# Allegro board AM335x_ICE_3H0013_PCB_REV_2_1A.brd (continued)
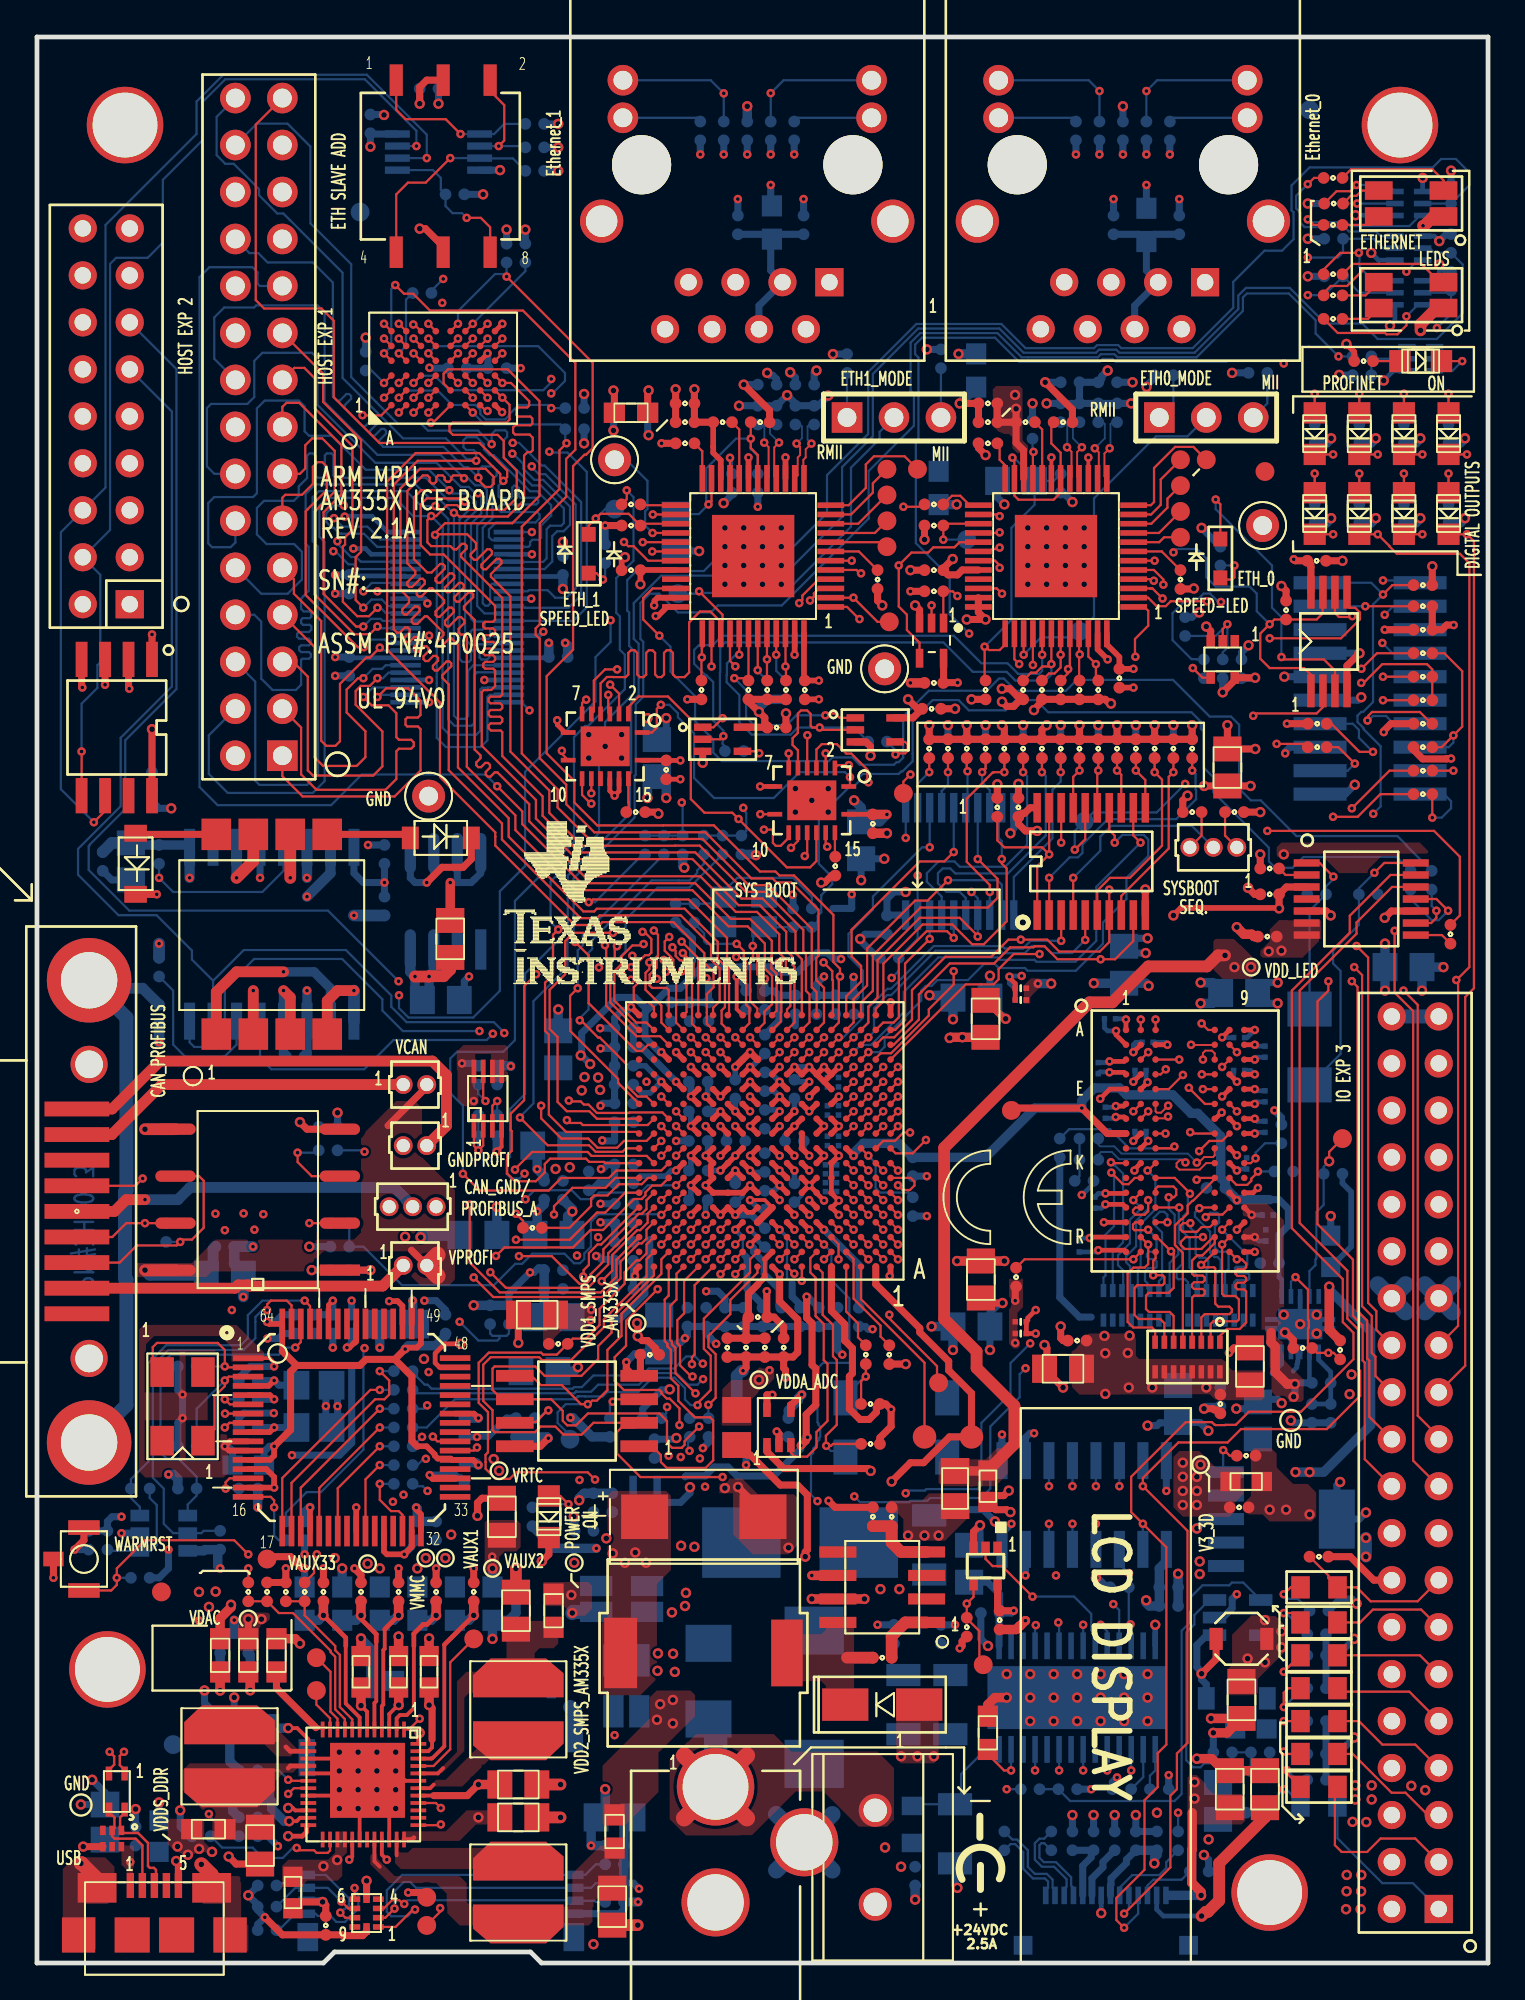
[diagram p0: board, top side]
## Nets (continued)
N21210919: R224.2(P2) R225.1(P1) U34.4(EN)
N21210937: D20.2(ANODE) L2.2 U34.1(SW)
N21211001: C255.2 R220.1(P1) R221.2(P2) U34.3(FB)
N21251713: J2.11(D3) R93.1(P1)
N21451174: R199.1(P1) U17.3(W\P\)
N21451189: R200.1(P1) U17.7(H\O\L\D\)
N21620210: C259.1 R226.2(P2) U35.3(IP0)
N21620213: C256.1 R84.2(P2) U35.5(IP1)
N21620216: C253.1 R83.2(P2) U35.7(IP2)
N21620219: C250.1 R81.2(P2) U35.9(IP3)
N21620222: C247.1 R80.2(P2) U35.11(IP4)
N21620225: C246.1 R79.2(P2) U35.18(IP5)
N21620228: C241.1 R74.2(P2) U35.20(IP6)
N21620231: C239.1 R68.2(P2) U35.22(IP7)
N21797281: R40.2(P2) U9.15(OE#)
N21797333: R41.2(P2) U11.15(OE#)
N21800158: C162.1 R179.2 R182.2
N21868977: C216.1 R191.1 R195.2 U29.1(REFIN)
N21870936: R183.2 U15.L8(ZQ)
N21881059: D5.2(ANODE) R131.1(P1)
N21881073: J1.11(D3) R98.1(P1)
N21881115: J1.9(D1) R94.1(P1)
N21881265: C4.1 C14.1 C83.1 C84.1 U2.18(PFBIN1) U2.23(PFBOUT) U2.37(PFBIN2)
N21881353: R7.2(P2) U2.20(RSV)
N21881950: R9.2(P2) U2.24(RBIAS)
N22333314: R88.2(P2) SW1.1(P0) U25.1(P0)
N22333318: R99.2(P2) SW1.2(P1) U25.2(P1)
N22371955: C43.1 U32.5(FB)
N23086594: R13.1 U3.25(CLKOUT)
N23086888: R12.1 U2.25(CLKOUT)
N27955689: R188.2 R189.1 U18.59(BCBUS7)
N27956453: R142.2(P2) U10.4(Y)
N28554546: D1.2(R) R1.2(P2)
N28554548: D1.4(Y) R2.2(P2)
N28554589: Q2.3 R1.1(P1)
N28554595: Q1.6(3) R3.1(P1)
N28554605: Q1.3 R2.1(P1)
N28554613: D1.3(G) R3.2(P2)
N28559145: D2.2(R) R4.2(P2)
N28559147: D2.4(Y) R5.2(P2)
N28559250: D2.3(G) R6.2(P2)
N28559254: Q3.6(3) R4.1(P1)
N28559256: Q2.6(3) R5.1(P1)
N28559275: Q3.3 R6.1(P1)
N28559577: D3.1(CATHODE) Q4.6(3)
N28559579: D3.2(ANODE) R128.1(P1)
N28559581: Q4.2(5) R126.1(P1) R127.2(P2)
N28614111: D18.1(CATHODE) F1.1
N28629254: D16.2(ANODE) R208.1(P1)
N28737675: R58.2(P2) U14.G17(MMC0_CLK)
N28753994: R100.2(P2) SW1.4(P2) U25.3(P2)
N28754074: R87.2(P2) SW1.8(P3) U25.5(P3)
N28785526: J19.1 R112.2(P2)
N28785533: J19.3 R110.2(P2)
N28944514: J18.1 R114.2(P2)
N28944521: J18.3 R113.2(P2)
N29141166: C89.2 U12.14(XOUT) Y1.1
N29141233: C90.2 U12.1(XIN/CLK) Y1.2
N29141536: R39.1(P1) U12.2(S0)
N29149555: R42.1 U12.8(Y3)
N29149585: R154.1 U12.9(Y2)
N29149616: R144.1 U12.11(Y1)
N29208060: J5.1 R37.1

Pads without a net: J1 7; J2 7; J9 1 4; J13 4; J15 6; J16 10; NOREF#3 1; NOREF#15 1; NOREF#17 1; NOREF#18 1; NOREF#19 1; Q4 3 4 5; R212 3 4; R219 3 4; RP2 7 8 9 10; U1 B3 C4 D3; U2 33; U3 33; U6 7; U9 12; U10 1; U12 4; U14 B18 D3 M15 N17 N18 P15 P16 P17 P18 R17 R18 T18; U15 J1 J9 L1 L9 M7; U18 22 24 27 29 33 34 36 40 41 43 44 45 46 48 52 53 54 55 57 58 60; U20 1; U21 2 3 5; U22 21 25 38 39; U23 3 5; U24 4 9; U27 1 2; U28 10; U30 4; U35 4 6 8 10 12 16 17 19 21 27; Y2 2 4; Y3 2 4; Y4 2 3

## Via types
v1: diameter 0.457, hole 0.203, TOP to BOTTOM, 1028 vias
v2: diameter 0.559, hole 0.305, TOP to BOTTOM, 506 vias

## Routing (per net, layer and track width the routed paths; a pad name or vN(x,y) marks a point on that pad's centre or on a via; arc(x,y) is an arc through that point)
AGND_CAN: length 31
  BOTTOM w0.584: J9.11 3.38,52.7 5.71,52.7 R175.1
  BOTTOM w0.762: J9.10 4.84,30.16 4.84,36.94 4.76,37.02 4.76,41.69 4.84,41.76 4.84,51.12 J9.11
AGND_PRUETH0: length 15.9
  TOP w0.203: U3.19 v1(54.87,81.41) ; U3.15 v1(56.87,81.4)
  TOP w0.381: v2(49.91,84.33) 49.91,84.33 C2.2 C5.2
  LYR4 w0.508: v1(56.87,81.4) 56.49,81.03 55.25,81.03 v1(54.87,81.41) 54.86,81.41 54.22,80.76 51.15,80.76 50.42,81.49 50.42,83.82 50.04,84.2 50.04,84.2 v2(49.91,84.33)
  BOTTOM w0.508: R242.1 50.79,85.21 v2(49.91,84.33)
AGND_PRUETH1: length 14.8
  TOP w0.305: v1(38.49,81.41) U2.19 ; U2.15 v1(40.49,81.41)
  TOP w0.381: C3.2 C1.2 v2(34.54,85.09) ; v2(33.08,85.03) 33.03,84.98 R239.1
  LYR4 w0.508: v1(40.49,81.41) 39,81.41 38.99,81.4 38.49,81.4 v1(38.49,81.41) 37.09,82.8 35.81,82.8 34.54,84.07 v2(34.54,85.09) 34.48,85.03 v2(33.08,85.03)
AGNDFRAME_PRUETH0: length 24.5
  LYR4 w0.635: J2.14 50.86,94.18 54.86,94.18 55.55,94.87 ; 55.55,94.87 56.24,94.18 66.61,94.18 J2.13 ; 55.55,94.87 55.55,97.54 55.52,97.67 55.52,98.07 57.85,100.39 v2(58.74,100.39)
  BOTTOM w0.381: R91.1 v2(58.74,100.39)
AGNDFRAME_PRUETH1: length 24.5
  LYR4 w0.635: 35.23,94.87 34.54,94.18 30.54,94.18 J1.14 ; 35.23,94.87 35.92,94.18 46.29,94.18 J1.13 ; 35.23,94.87 35.23,97.54 35.2,97.67 35.2,98.07 37.53,100.39 v2(38.42,100.39)
  BOTTOM w0.508: R96.1 v2(38.42,100.39)
DGND: length 652.5
  TOP w0.203: v2(19.4,10.39) 19.94,9.85 U22.43 ; U18.1 12.58,32.71 12.83,32.46 v1(12.83,32.26) ; v2(17.37,8.35) 17.45,8.27 U22.30 ; 39,53.46 39,54.56 ; U22.17 16.22,10.25 v2(16.35,10.39) ; v1(24.87,43.87) 25.13,44.14 U13.4 ; v2(19.4,8.35) 19.05,8 U22.34 ; U22.15 16.01,11.05 v2(16.35,11.4) ; v2(16.35,9.37) 16.04,9.05 U22.20
  TOP w0.254: U15.E1 58.03,47.25 v1(57.51,46.73) ; U15.G9 v1(65.87,45.65) ; v1(60.07,47.62) 60.07,47.62 U15.E2 ; U9.14 31.48,63.36 v1(31.24,63.12) 30.98,63.38 U9.13 ; v1(54.02,35.31) 53.59,34.88 53.59,34.75 C30.2 C31.2 v1(54.02,34.04) ; U15.T9 v1(65.87,38.45) ; C19.2 v1(34.8,64.01) ; U15.G8 v1(64.9,45.25) ; U15.E8 v1(64.1,46.85) ; v1(25.16,83.85) 25.09,83.92 25.09,83.92 U1.H1 ; U15.F9 v1(65.87,46.45) ; U15.B3 v1(61.14,49.65) ; v1(58.35,45.74) 58.81,45.74 U15.G1 ; U15.D1 58.79,48.16 v1(58.01,48.16) ; U15.A9 v1(65.87,50.45) ; U15.B9 v1(65.87,49.65) ; U9.8 28.56,66.54 28.15,66.95 28.15,67.19 v1(28.14,67.2) ; v1(64.9,43.68) 64.87,43.71 64.84,43.71 U15.J8 ; U15.P9 v1(64.9,39.65) ; U15.J2 v1(60.1,44.45) ; v1(39.12,63.62) U11.8 ; U18.47 21.78,32.21 21.54,32.45 21.54,32.96 22.05,33.48 v2(22.91,33.48) ; U15.M9 65.78,41.65 v1(66.04,41.91) ; v1(58.37,50.4) 58.37,50.19 U15.B1 ; U15.D8 v1(64.9,47.65) ; U1.H6 v1(25.17,88.63) ; U15.M1 58.87,41.61 v1(57.8,41.61) ; U15.T1 58.81,38.54 v1(57.4,38.54) ; U15.P1 v1(57.71,40.05)
  TOP w0.305: C11.2 v1(59.31,68.96) ; U14.G9 v1(40.17,42.05) U14.F8 ; v1(36.97,42.85) U14.H12 v1(37.77,43.65) U14.J11 ; U2.47 40.98,70.75 v1(40.98,70.74) ; U14.J6 v1(42.57,43.65) U14.H6 ; v1(40.97,42.85) U14.H8 ; U18.25 v1(17.27,24.63) ; v1(38.57,46.85) U14.M10 ; U18.51 19.77,35.53 19.51,35.79 v1(19.05,35.79) ; C9.2 31.62,75.84 v2(31.8,76.01) ; U18.5 12.6,30.71 v1(12.83,30.48) ; U14.H9 v1(40.17,42.85) U14.G8 ; U14.H7 v1(41.77,42.85) ; U14.K10 v1(38.57,45.25) U14.L10 ; U14.M14 v1(35.37,46.85) U14.N14 ; U14.L11 v1(37.77,46.05) U14.M12 ; U14.V1 v1(46.17,51.94) ; U2.35 33.56,73.82 33.4,73.66 33.4,73.43 v1(33.38,73.41) ; U14.A1 46.17,37.14 v1(46.12,37.14) ; v1(40.17,43.65) U14.J9 ; C15.2 v1(42.29,68.33) ; U14.K7 U14.J7 v1(41.77,43.65) ; U14.N11 v1(38.57,47.65) U14.N10 ; U18.15 v1(12.83,25.71) 12.83,26.28 12.4,26.71 U18.13 ; U14.M8 v1(40.17,46.85) U14.M9 ; U14.J10 v1(38.57,43.65) U14.H10 ; U14.L13 v1(36.97,46.05) U14.L12 ; U18.32 20.77,24.27 20.52,24.52 v1(20.52,24.63) ; v1(41.77,47.65) U14.N7 ; U14.G12 v1(37.77,42.85) U14.G11 ; U18.11 10.39,27.71 v1(10.16,27.94) 10.43,28.21 U18.10 ; v1(33.47,72.83) 33.59,72.83 34.08,73.32 U2.36 ; U14.M6 v1(41.77,46.05) U14.M7 ; U14.V18 v1(32.13,51.69) ; U14.A18 32.38,37.46 32.38,37.18 v1(32.34,37.14) ; v1(57.91,70.48) 57.37,71.03 U3.47 ; v1(40.97,43.65) U14.J8 ; v1(40.17,45.25) U14.K9 ; v1(37.77,45.25) U14.K11
  TOP w0.381: C14.2 v1(35.18,68.33) ; v2(51.95,63.73) 51.94,63.73 R278.1 ; v2(71.53,70.82) 70.86,70.14 U4.4 ; U16.4 14.61,45.09 v2(14.22,45.47) ; v1(40.01,28.74) 40.13,28.62 U19.2 ; C277.2 v2(53.09,63.75) ; C27.2 51.32,52.05 52.32,51.05 v2(52.4,51.05) ; R62.1 67.95,33.69 67.55,34.1 v2(67.5,34.1) ; C13.2 74.46,65.6 74.95,65.11 76.24,65.11 76.26,65.12 v1(76.49,65.12) ; C49.2 v1(15.49,21.34) ; 4.95,70.48 4.95,68.94 v1(4.99,68.9) ; U23.4 v2(2.5,6.29) ; v2(42.42,58.42) 42.6,58.42 42.98,58.8 R41.1 ; C52.2 v1(21.59,21.34) ; v2(45.09,65.28) 45.09,65.79 44.85,66.03 U7.3 ; v2(50.29,72.64) v2(51.31,72.64) 50.92,73.03 U3.36 U3.35 ; U5.3 47.74,73.17 v2(47.5,73.41) ; U37.10 v2(59.95,58.04) ; v2(54.53,85.47) 56.01,84 C6.2 ; R38.1 v2(66.17,62.23) ; J13.5 7.65,5.36 7.49,5.52 v2(7.53,5.52) ; R10.1 50.93,81.92 v2(51.31,81.53) ; C21.2 65.86,57.78 v2(65.51,58.14) ; 3.68,70.48 v1(3.68,69.12) ; U12.5 69.74,56.88 v2(69.98,56.64) ; v2(38.23,85.34) 39.62,83.95 C4.2 ; C17.2 v2(49.66,67.82) ; v2(51.01,23.67) 50.66,23.32 U20.3 ; v2(23.83,24.18) 23.83,24.88 24.07,25.13 C47.2 ; C28.2 51.55,35.69 v2(52.22,35.69) ; U19.5 39.48,30.72 v1(39.78,30.72) ; v1(64.47,32.99) 64.74,33.26 C38.2 ; C50.2 17.53,20.98 v1(17.17,21.34) ; v2(52.65,24.38) 52.58,24.38 52.45,24.51 51.86,24.51 C45.2 51.78,25.27 52.29,25.27 v2(52.56,25.54) ; v2(63.14,63.64) C23.2 v2(65.64,63.64) ; C48.2 39.27,24.39 v2(37.92,25.74) ; v2(72.9,56.52) 73.26,56.88 U12.10 ; R239.2 31.23,84.97 v2(31.18,85.02) ; C41.2 63.82,29.91 63.68,29.91 63.61,29.97 v2(63.13,29.97) ; 40.51,66.8 v2(40.51,67.56) ; R65.2 v2(46.99,32.38) ; C16.2 v2(50.55,68.33) ; v2(55.37,34.42) 55.37,33.78 55.5,33.66 C32.2 ; v2(63.25,72.26) 63.48,72.02 U10.3 ; 54.63,32.26 C39.2 ; 54.63,32.26 54.63,31.99 v2(55.5,31.11) ; 54.63,32.26 54.63,33.26 54.52,33.36 54.52,33.42 v2(54.5,33.42) ; v2(33.61,62.14) 33.55,62.14 33.55,62.15 33.62,62.15 33.62,62.23 R40.1 ; R14.1 v2(75.47,75.52) ; v1(2.03,22.35) 2.54,22.86 S1.1 ; R9.1 v1(33.78,82.17) ; D16.1 27.69,22.1 v2(27.3,21.72) ; U24.5 v2(17.83,4.45) ; C66.2 13.88,2.96 14.22,3.3 v2(15.45,3.3) 15.62,3.13 C68.2 ; C65.2 10.77,5.35 v2(10.37,5.75) ; R17.1 C8.2 75.99,72.09 76.25,72.34 v1(76.63,72.34) ; 32.64,32.89 32.64,31.81 U17.4 32.26,31.75 31.88,32.13 v1(31.88,32.49) ; U18.35 21.42,26.21 v1(21.24,26.38) ; C53.2 v1(23.62,21.34) ; v1(42.82,24.99) 43.17,24.64 R66.1 ; C10.2 v2(47.24,75.31) ; C7.2 v2(70.61,75.82) ; 6.22,70.48 v1(6.22,71.84) ; C51.2 v1(19.56,21.34) ; v1(2.45,68.97) 2.41,69.01 2.41,70.48 ; v2(26.04,33.53) 26.04,35.04 C29.2 ; U8.3 v2(36.01,64.9)
  TOP w0.508: C55.2 52.96,18.03 53.15,18.22 53.17,18.22 53.46,18.51 v1(53.47,18.51) ; v2(62.74,11.05) 63.54,11.05 64.19,10.4 C62.2 C63.2 ; v2(19.56,17.65) C58.2 ; v2(63.63,12.45) 64.37,12.45 C60.2 v2(63.5,13.22) ; C12.2 v1(47.24,69.22) ; C59.2 v2(21.21,17.55) ; v2(52.45,14.35) 51.82,14.35 51.44,13.97 R82.1 ; U21.6 v1(41.91,20.95) ; C22.2 65.83,55.5 65.7,55.63 65.28,55.63 v2(64.9,56.01) ; 45.21,61.09 v2(45.97,61.09) ; C57.2 v2(17.53,17.55)
  TOP w0.635: C54.2 v2(25.91,21.34) ; C61.2 v2(28.32,9.65) ; C67.2 v2(32.5,2.05) ; C64.2 v2(28.32,7.87)
  LYR2_GND w0.889: J14.29 76.57,39.23 ; J14.29 75.07,37.73 ; J14.29 75.07,39.23 ; J14.29 76.57,37.73 ; TP18.1 22.03,63.94 ; TP18.1 20.34,62.25 ; TP18.1 22.03,62.25 ; TP18.1 20.34,63.94 ; MH1.1 6.44,97.7 ; MH1.1 6.44,101.05 ; MH1.1 3.09,101.05 ; MH1.1 3.09,97.7 ; J3.2 3.23,74.22 ; J3.2 1.72,72.72 ; J3.2 1.72,74.22 ; J3.2 3.23,72.72 ; 53.54,87.59 J2.8 ; J2.8 55.04,87.59 ; J2.8 55.04,89.09 ; J2.8 53.54,89.09 ; J14.17 76.57,22.49 ; J14.17 75.07,23.99 ; J14.17 75.07,22.49 ; J14.17 76.57,23.99 ; 72.53,37.73 J14.30 ; J14.30 72.53,39.23 ; J14.30 74.03,39.23 ; J14.30 74.03,37.73 ; MH3.1 5.49,17.55 ; MH3.1 2.13,14.2 ; MH3.1 5.49,14.2 ; MH3.1 2.13,17.55 ; MH2.1 75.4,97.7 ; MH2.1 72.05,97.7 ; MH2.1 72.05,101.05 ; MH2.1 75.4,101.05 ; 39.99,8.04 J11.2 ; J11.2 43.02,5.01 ; J11.2 39.99,5.01 ; J11.2 43.02,8.04 ; 72.53,23.99 J14.18 ; J14.18 74.03,22.49 ; J14.18 74.03,23.99 ; MH4.1 68.35,5.49 ; MH4.1 68.35,2.13 ; MH4.1 65,5.49 ; MH4.1 65,2.13 ; TP19.1 46.69,69.14 ; TP19.1 46.69,70.82 ; TP19.1 45.01,70.82 ; TP19.1 45.01,69.14 ; 4.26,90.5 J3.15 ; J3.15 5.77,92 ; J3.15 4.26,92 ; J3.15 5.77,90.5 ; 35.19,1.76 J11.3 ; J11.3 35.19,4.79 ; J11.3 38.22,4.79 ; J11.3 38.22,1.76 ; J1.8 34.72,87.59 ; J1.8 33.22,87.59 ; J1.8 34.72,89.09 ; J1.8 33.22,89.09
  BOTTOM w0.254: v1(65.87,45.65) 66.01,45.51 C144.2 ; v1(65.87,50.45) 65.46,50.04 C117.2 ; U26.4 v1(21.21,69.37) ; C183.2 57.31,38.45 v1(57.4,38.54) ; v2(72.85,85.57) 73.37,86.09 Q4.1 ; C128.2 59.99,47.71 v1(60.07,47.62) ; U29.4 67.83,33.77 v2(67.5,34.1) ; U26.21 18.08,76.17 17.77,76.48 v1(17.11,76.48) ; C140.2 58.28,45.67 v1(58.35,45.74) ; v1(57.8,41.61) 57.42,41.61 C174.2 ; v1(58.01,48.16) 57.99,48.18 57.5,48.18 C126.2 ; C118.2 61.01,49.78 v1(61.14,49.65) ; C115.2 57.74,50.57 57.91,50.4 v1(58.37,50.4) ; v2(75.85,93.1) 75.58,93.37 Q2.4 ; v2(73.18,88.53) 73.45,88.8 Q3.4 ; v1(38.57,39.65) 38.99,39.23 38.99,39.04 39.32,38.71 C172.1 ; v1(64.9,47.65) 64.72,47.83 C127.2 ; C136.2 65.98,46.56 v1(65.87,46.45) ; v1(21.21,71.77) U26.10 ; J17.8 v2(57.56,2.7) ; Q3.1 75.61,90.96 75.85,91.2 v2(75.85,91.83) ; U26.1 v1(21.21,68.17) ; v1(60.1,44.45) 59.99,44.56 C146.2 ; U29.8 v2(68.33,34.54) ; v2(71.32,94.5) 73.43,94.5 Q1.1 ; Q2.1 72.56,92.07 v2(72.17,92.47) ; v1(16.64,78.21) 16.6,78.21 16.62,78.23 18.11,78.23 18.97,77.37 U26.24 ; U26.45 v1(24.2,69.37) ; v1(27.39,71.99) 27.17,71.77 U26.39 ; C122.2 65.94,49.58 v1(65.87,49.65) ; v1(26.73,73.77) U26.34 ; Q1.4 v2(74.95,96.52) ; v1(21.12,73.51) 21.11,73.51 21.11,73.64 20.97,73.77 U26.15 ; v1(26.77,76.17) U26.28
  BOTTOM w0.305: C149.2 41.48,43.94 v1(41.77,43.65) ; C135.2 v1(37.77,46.05) ; U35.28 v2(60.49,18.29) ; C181.2 39.88,41.76 v1(40.17,42.05) ; C160.1 v1(36.97,42.85) ; C173.1 36.17,41.14 v1(36.17,40.45) ; v1(40.17,46.85) 39.88,47.14 C130.2 ; C134.2 41.08,47.65 v1(41.77,47.65) ; C169.2 v1(40.97,42.85)
  BOTTOM w0.381: v2(71.63,68.44) 71.61,68.44 71.46,68.28 J15.12 ; v2(60.07,55.41) 59.23,55.41 C101.2 59.17,54.61 v2(59.97,54.61) ; v1(7.11,22.35) 7.11,21.34 6.6,20.83 C235.2 ; v1(44.17,53.31) 44.17,52.35 C109.1 C110.1 C111.1 42.16,52.93 v1(42.57,53.34) ; C221.1 10.92,29.46 11.19,29.73 v1(12.81,29.73) ; C203.2 C202.1 C201.2 C200.2 C199.2 C198.2 C197.2 C196.2 43.31,33.15 v1(43.56,32.89) ; C203.2 36.2,34.04 36.43,33.8 36.43,33.78 v1(36.74,33.48) ; C203.2 C204.2 35.18,33.91 v1(35.05,33.78) 34.81,33.54 34.66,33.54 34.15,33.04 C210.2 32.85,33.04 32.77,32.96 32.34,32.96 v1(31.88,32.49) ; C75.2 v1(26.16,86.23) ; C242.2 v1(49.66,18.29) ; C214.2 63.25,30.1 v2(63.13,29.97) ; v2(59.44,8) C266.2 C265.2 ; C240.2 51.05,17.53 v2(51.44,17.14) ; C170.2 v1(37.77,42.85) ; C72.2 v1(58.23,95.38) ; v1(58.42,10.03) 58.17,9.78 R223.1 ; R166.1 R163.1 R162.1 ; R166.1 v2(55.37,66.93) ; R166.1 R170.1 R171.1 ; C195.2 44.81,34.42 44.96,34.27 v1(45.2,34.27) ; C77.2 v2(59.26,85.47) ; v1(53.93,28.65) 53.7,28.65 53.47,28.41 U31.10 ; FB11.2 38.35,27.5 v1(38.35,26.92) ; R159.1 v2(61.47,66.93) ; R159.1 R157.1 ; R159.1 R158.1 R160.1 ; v2(68.74,95.14) R104.1 ; R222.1 v1(61.21,10.16) ; U31.7 v1(53.47,20.95) ; v2(51.55,33.15) C209.2 51.55,35.16 52.07,35.69 v2(52.22,35.69) ; R160.1 v2(59.44,66.93) ; R160.1 R161.1 R162.1 ; v1(36.2,53.25) 36.2,53.23 36.32,53.11 C112.2 C113.2 C114.2 ; v2(52.32,78.87) 51.96,79.23 C81.2 ; C186.2 v2(69.98,40.39) ; v2(60.07,29.06) 60.58,29.06 60.73,29.21 61.71,29.21 C215.2 62.91,29.23 v2(63.36,28.78) ; C222.1 7.62,29.21 v1(7.87,29.46) v1(7.87,30.73) 7.62,30.99 C211.1 ; v2(33.02,67.31) 33.02,66.42 33.29,66.15 C92.2 33.77,66.15 34.04,66.42 v2(34.04,67.31) ; R169.1 R168.1 R171.1 ; R169.1 R167.1 R165.1 ; R169.1 v2(51.31,66.93) ; v2(52.65,61.09) 52.65,61.16 52.84,61.35 U38.10 ; v1(32.13,51.69) 31.95,51.51 31.65,51.51 31.24,51.1 C116.2 ; v2(71.25,12.19) 70.36,11.3 C253.2 ; R162.1 v2(57.4,66.93) ; v2(65.53,71.25) 65.15,70.87 C91.2 ; U31.8 52.2,23.24 v1(52.7,23.75) ; v1(39.37,53.21) C108.2 39.88,52.56 40.11,52.32 ; R109.1 76.23,91.45 v2(75.85,91.83) ; C120.2 31.16,49.45 v1(30.48,49.45) ; C120.2 C124.2 C132.2 C137.1 30.61,46.48 v1(30.48,46.35) ; C120.2 C116.2 ; 63.37,4.95 63.37,5.59 v2(63.12,5.84) ; R103.1 v2(76.49,96.91) ; C76.2 21.28,86.23 21.23,86.26 v1(21.23,86.26) ; C223.2 34.48,28.32 34.54,28.39 v2(34.58,28.39) ; R96.2 v1(38.42,97.79) ; C93.2 6.22,62.81 6.6,62.43 v2(7.26,62.43) ; C145.2 v2(16.26,45.97) ; C218.2 40.31,28.45 v1(40.01,28.74) ; C246.2 C247.2 ; C246.2 70.36,16.64 v2(71.25,17.53) ; C246.2 C241.2 ; v2(67.11,53.01) 66.58,53.01 C102.2 66.58,51.89 v2(67.11,51.89) ; R165.1 R164.1 ; R165.1 v2(49.28,66.93) ; v1(41.47,95.38) C73.2 ; U31.9 v1(52.2,28.57) ; C116.2 v1(30.46,50.55) ; v1(30.57,44.48) 30.58,44.48 30.58,44.5 30.63,44.45 31.24,44.45 C143.1 ; C237.2 v2(25.91,21.34) ; v2(49.78,4.06) 49.66,4.19 C262.2 ; C253.2 C256.2 ; C253.2 C250.2 ; v2(51.55,53.38) C104.2 51.55,51.83 52.13,51.24 52.21,51.24 v2(52.4,51.05) ; v2(35.32,25.72) 35.32,25.41 34.81,24.91 33.22,24.91 32.89,24.58 U30.2 ; C268.2 v2(57.15,8) ; R171.1 v2(53.34,66.93) ; R178.1 67.31,45.72 v1(66.93,46.1) ; v2(75.85,93.1) 76.23,93.48 R107.1 ; C184.2 v2(14.73,38.73) ; C131.2 35.37,47.54 v1(35.37,46.85) ; v1(64.9,19.94) 64.64,19.69 64.64,19.18 64.14,18.68 U34.2 ; v2(62.87,73.03) 62.74,73.03 62.48,72.77 R137.1 ; C139.2 v1(36.97,46.05) ; R102.1 v2(25.4,93.73) ; C231.2 v1(14.48,22.1) ; v2(71.53,70.82) J15.8 ; C69.2 v2(21.72,100.53) ; C219.2 25.4,29.46 24.42,28.49 23.84,28.49 v1(23.8,28.45) C220.2 ; C264.2 v2(5.33,8.32) ; v2(64.87,29.97) 65.68,29.97 C217.2 66.18,30.48 67.11,30.48 v2(67.32,30.27) ; v2(62.74,23.5) 63.25,24 U32.3 ; C207.2 v1(17.02,35.81) ; v2(71.37,19.43) 71.12,19.68 70.48,19.68 C239.2 ; v1(67.51,65.41) 67.51,65.49 67.77,65.74 J15.16 ; v2(7.75,8.26) 7.75,7.37 8.26,6.86 R229.2 ; v2(70.44,85.87) 70.52,85.87 70.54,85.85 R127.1 ; 40.11,52.32 C152.2 ; 40.11,52.32 40.13,52.3 40.13,50.95 C119.1 ; 29.84,41.78 30,41.78 30.4,42.18 31.23,42.18 C166.2 C157.1 30.86,43.18 30.61,42.93 v1(30.51,42.93) ; v1(10.16,27.94) 10.33,27.94 10.58,27.69 C224.2 ; v2(10.67,14.36) 10.67,12.94 C251.2 9.06,14.07 v2(9.06,14.74) ; R106.1 v2(68.74,93.23) ; C232.1 v1(2.03,22.35) ; C190.2 v2(14.86,37.47) ; C80.2 v2(38.23,85.34) ; v1(21.24,26.38) 22.62,26.38 22.77,26.23 22.92,26.23 C225.1 ; v2(67.82,29.34) 67.94,29.21 R195.1 C216.2 ; R113.1 v2(64.64,85.98) ; J16.6 15.26,3.36 15.32,3.3 v2(15.45,3.3) ; R87.1 v2(24.13,95.63) ; C187.2 32.28,37.95 32.28,37.26 32.34,37.19 v1(32.34,37.14) 32.34,37.11 32.26,37.02 C192.2 ; v2(2.98,9.91) 3.68,9.21 FB13.1 v2(2.37,8.57) ; v2(51.01,23.67) 51.01,22.84 50.76,22.59 C234.2 ; R88.1 v2(28.19,99.44) ; R277.1 45.47,54.36 44.53,55.3 v2(44.53,55.37) 44.78,55.63 C275.2 ; v2(44.58,58.55) C94.2 v2(45.83,59.71) ; v2(71.28,63.71) 70.77,63.2 J15.20 ; v2(56.01,78.99) 55.5,79.5 C82.2 ; R108.1 v2(68.74,91.2) ; R193.1 v1(12.83,30.48) ; C189.2 27.43,37.59 27.14,37.59 26.88,37.34 v1(26.67,37.34) 25.53,36.2 R187.1 ; R91.2 v1(58.74,97.79) ; 16.89,74.04 v1(16.13,74.04) ; 43.05,57.02 44.07,57.02 v1(44.07,57.78) ; v2(71.88,24.36) 71.53,24 U32.6 70.31,25.83 v2(70.48,26.01) ; R100.1 v2(28.19,96.9) ; C208.1 13.34,34.04 13.07,33.77 v1(12.46,33.77) ; v1(12.83,32.26) 11.54,32.26 10.92,31.64 C213.1 ; C88.2 v1(16.13,69.6) ; C78.2 v2(54.53,85.47) ; R188.1 v1(16,33.27) ; v2(42.16,86.11) 42.04,85.98 42.04,85.34 ; C206.1 22.1,35.31 21.59,35.81 v1(20.95,35.81) ; 29.59,84.07 v2(29.59,84.84) ; R185.1 v1(48.13,40.39) ; C233.2 48.57,24.51 51.18,24.51 v2(51.82,23.88) ; C70.2 18.75,99.95 v2(18.77,99.92) ; C263.2 v2(6.6,8.69) ; C151.2 v1(34.57,44.45) ; v1(37.91,95.38) C74.2 ; R99.1 v2(28.19,98.17) ; C252.2 64.6,12.66 64.39,12.45 v2(63.63,12.45) R221.1 ; R110.1 v2(48.13,87.25) ; C182.2 C177.2 31.2,40.05 v1(30.48,40.05) ; C267.2 v2(58.29,8) ; U25.4 v2(25.04,96.94) ; U31.16 v1(61.09,25.53) ; C269.2 v2(56.01,8) ; U33.2 v1(4.57,23.24) ; C243.2 v1(45.47,18.29) ; C71.2 v1(61.79,95.38) ; J15.10 v2(67.47,69.55) ; C84.2 v2(35.81,76.34) ; C83.2 v1(38.99,78.74) ; C175.1 v1(30.48,41.05) ; C159.2 v1(48.13,42.55)
  BOTTOM w0.508: v2(29.26,32.22) 29.04,32 C212.2 ; C85.2 v2(28.45,76.83) ; v1(28.57,71.37) 28.7,71.25 C87.2 ; R176.1 C125.2 25.6,48.51 v1(25.63,48.49) ; 10.67,17.78 C245.2 ; 10.67,17.78 C244.2 ; 10.67,17.78 v1(10.67,18.54) ; v2(72.91,52.58) C97.2 v2(72.91,55.12) ; v2(28.2,51.56) 28.19,51.56 C121.1 ; v2(29.04,24.14) 29.04,23.41 C228.2 ; C226.2 C227.2 29.59,25.4 29.33,25.14 v2(29.33,25.02) ; J16.9 18.07,16.98 17.53,17.53 v2(17.53,17.55) ; C273.2 v2(47.5,3.43) ; v1(24.87,43.87) 24.89,43.87 C148.2 ; v1(14.61,52.58) U28.3 14.61,49.15 C123.2 ; C189.2 C193.2 27.43,35.42 C205.2 ; v1(20.52,24.63) 20.57,24.57 C230.2 C229.1 ; v2(57.28,20.83) 57.78,20.32 58.04,20.32 ; C272.2 v1(29.97,6.35) 29.97,7.6 C260.2 30.73,8.37 v2(30.73,9.4) ; C178.2 27.05,39.48 v1(27.05,40.64) 27.43,41.02 C171.2 ; v2(61.72,21.04) C236.2 C238.2 ; C251.2 10.43,10.91 C254.2 10.58,10.07 C257.2 10.58,8.22 C261.2 ; R242.2 v2(49.85,87.01) ; R187.1 C194.2 v2(23.62,35.56) ; C164.2 27.43,42.55 v1(27.05,42.93) 27.05,43.96 C154.2 ; C179.1 v2(24.88,40.88) ; v1(54.14,52.96) v2(54.86,52.96)
  BOTTOM w0.635: R174.1 v1(6.6,55.12)
  BOTTOM w0.889: J11.2 43.02,8.04 ; J11.2 39.99,5.01 ; J11.2 39.99,8.04 ; J11.2 43.02,5.01
  vias: v1(37.82,54.4) v2(16.35,8.35) v2(17.37,11.4) v2(17.37,10.39) v2(17.37,9.37) v2(18.39,11.4) v2(18.39,10.39) v2(18.39,9.37) v2(18.39,8.35) v2(19.4,11.4) v2(19.4,9.37) v2(29.84,66.42) v2(29.84,65.15) v2(30.73,65.79) v2(31.62,66.42) v2(31.62,65.15) v2(37.21,77.6) v2(37.21,76.58) v2(37.21,75.56) v2(37.21,74.55) v2(37.21,25.68) v2(38.23,77.6) v2(38.23,76.58) v2(38.23,75.56) v2(38.23,74.55) v2(39.24,77.6) v2(39.24,76.58) v2(39.24,75.56) v2(39.24,74.55) v2(40.26,77.6) v2(40.26,76.58) v2(40.26,75.56) v2(40.26,74.55) v2(40.65,22.46) v2(41.02,63.5) v2(41.02,62.23) v2(41.91,62.87) v2(42.8,63.5) v2(42.8,62.23) v2(46.74,11.18) v2(47.62,11.18) v2(48.51,11.18) v2(52.45,15.62) v2(53.59,77.6) v2(53.59,76.58) v2(53.59,75.56) v2(53.59,74.55) v2(53.72,15.62) v2(53.72,14.35) v2(53.72,13.08) v2(54.61,77.6) v2(54.61,76.58) v2(54.61,75.56) v2(54.61,74.55) v2(54.99,15.62) v2(54.99,14.35) v2(54.99,13.08) v2(55.63,77.6) v2(55.63,76.58) v2(55.63,75.56) v2(55.63,74.55) v2(56.26,15.62) v2(56.26,14.35) v2(56.26,13.08) v2(56.64,77.6) v2(56.64,76.58) v2(56.64,75.56) v2(56.64,74.55) v2(57.53,15.62) v2(57.53,14.35) v2(57.53,13.08) v2(58.8,15.62) v2(58.8,14.35) v2(58.8,13.08) v2(60.07,15.62) v2(60.07,14.35) v2(60.07,13.08) v2(63.37,6.68) v2(66.67,24.51) v2(67.44,59.94) v2(67.44,35.05) v2(67.56,24.51) v2(68.83,24.26) v2(69.22,35.05) v2(69.22,34.04)
